# Altium PCB uTCA_MCH_PCB3.pcbdoc (part 25 of 25)
Units mil, origin at the board's own origin, x right, y up, seen from the top; angles counter-clockwise.
Board outline 7110.66 x 2894.12 mil, 12 copper layers (Top Layer, GND1, MidLayer1, PWR1, MidLayer2, GND2, PWR2, MidLayer3, GND3, MidLayer4, PWR3, Bottom Layer), stack 63.15 mil thick; 767 components, 905 nets, 4553 pads, 2832 vias.
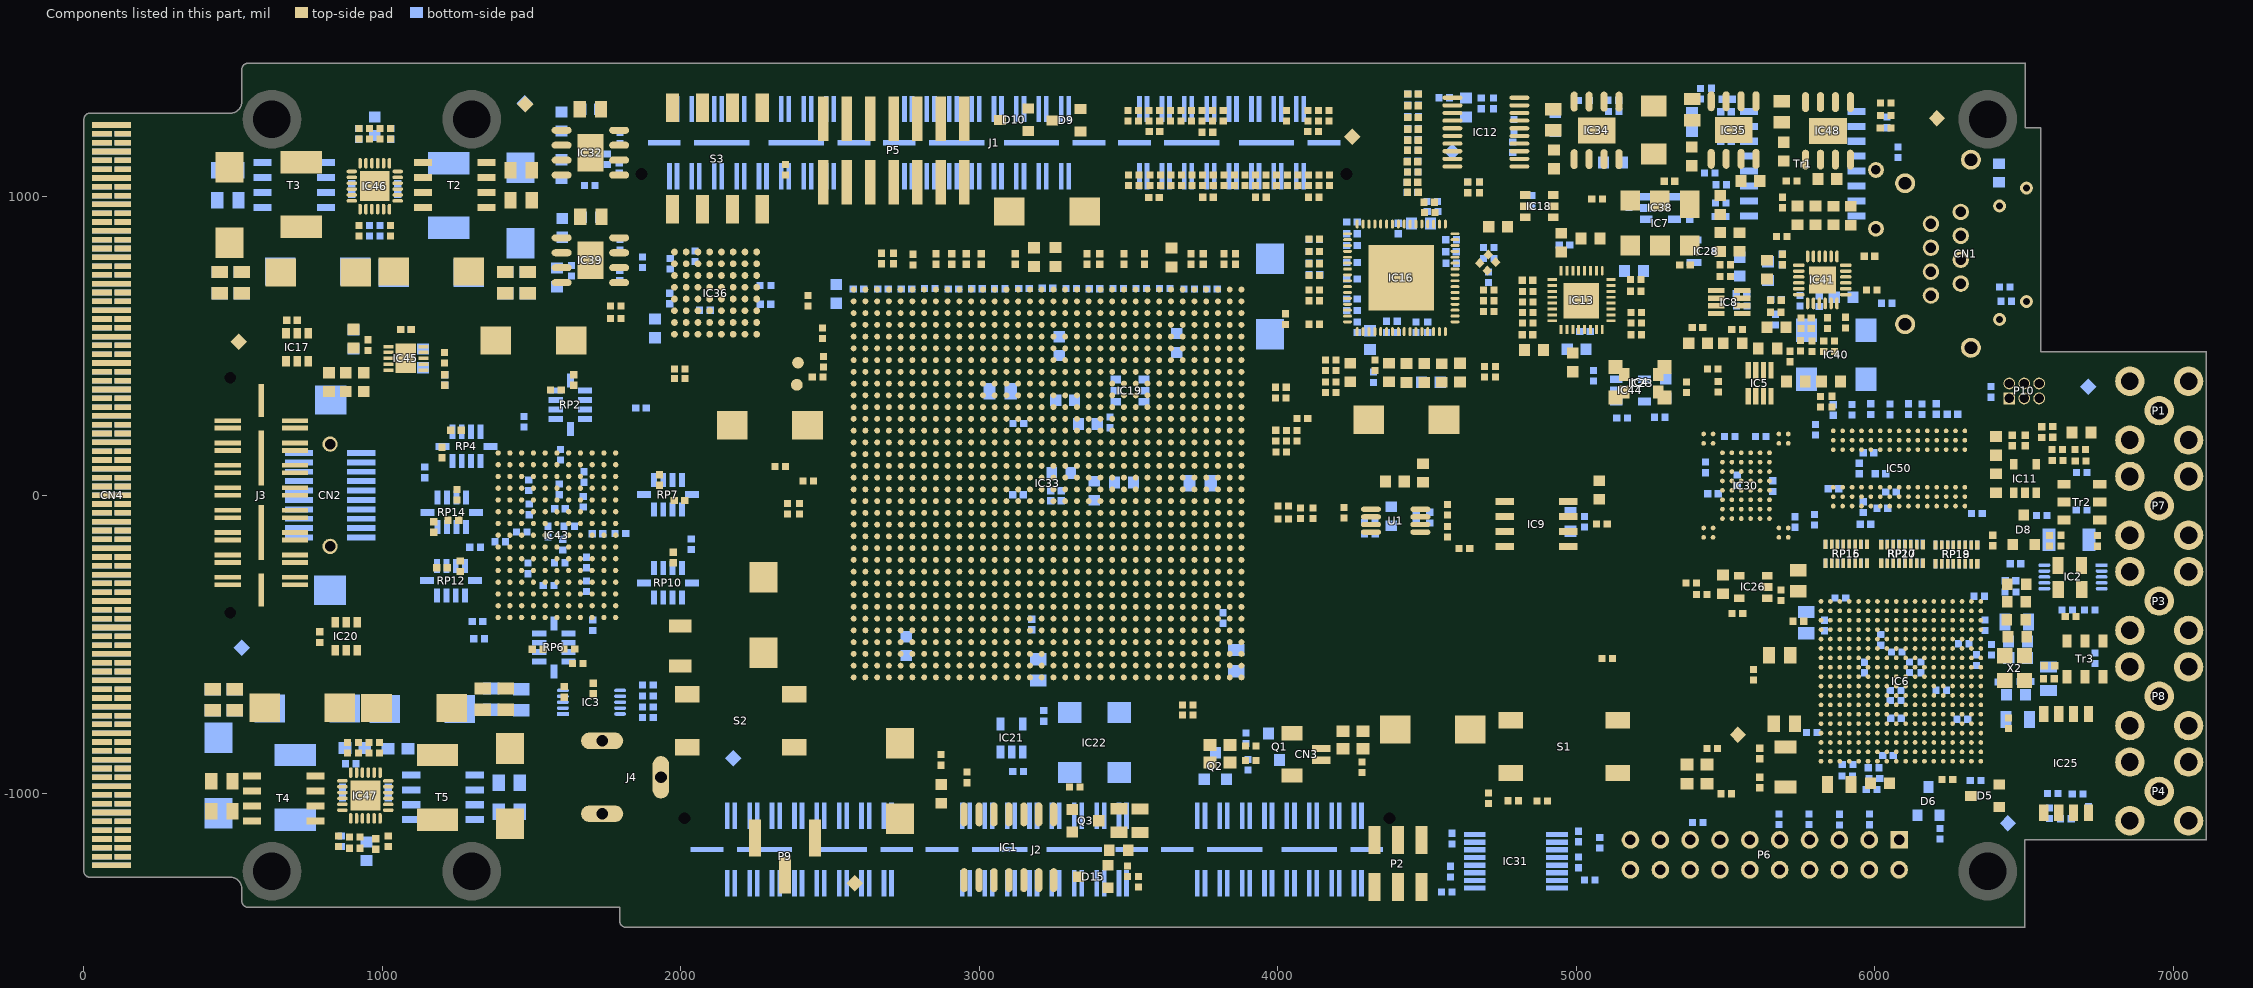
[diagram p35: the components of this part, seen from the top]

## Via types
v1: diameter 15.75, hole 5.91, Top Layer to Bottom Layer, tented both sides, 2480 vias
v2: diameter 23.62, hole 11.81, Top Layer to Bottom Layer, tented both sides, 325 vias
v3: diameter 20, hole 10, Top Layer to Bottom Layer, tented both sides, 16 vias
v4: diameter 15.75, hole 7.87, Top Layer to Bottom Layer, tented both sides, 9 vias
v5: diameter 23.62, hole 11.81, Top Layer to Bottom Layer, 1 vias
v6: diameter 15.75, hole 5.91, Top Layer to Bottom Layer, 1 vias

## Nets (pads, with @x,y where several pads share a name; then routed paths per layer and width w, separated by ;. In a path a pad name is that pad's centre, name@x,y a point inside that pad or via, vN(x,y) a via of type N, cw(c..) or ccw(c..) an arc to the next point about the centre after c; other vN are vias at no path point) (continued)
pads on no net: CN1.4 CN1.5 CN1.7 CN1.8 CN2. CN3.0 CN4.2 CN4.3 CN4.3mate CN4.5 CN4.6 CN4.8 CN4.9 CN4.11 CN4.12 CN4.17 CN4.18 CN4.20 CN4.21 CN4.23 CN4.24 CN4.29 CN4.30 CN4.32 CN4.33 CN4.35 CN4.36 CN4.41 CN4.42 CN4.44 CN4.45 CN4.47 CN4.48 CN4.53 CN4.54 CN4.56 CN4.57 CN4.59 CN4.60 CN4.65 CN4.66 CN4.68 CN4.69 CN4.71 CN4.72 CN4.77 CN4.78 CN4.80 CN4.81 CN4.83 CN4.84 CN4.87 CN4.88 CN4.90 CN4.91 CN4.93 CN4.94 CN4.99 CN4.100 CN4.102 CN4.103 CN4.105 CN4.106 CN4.111 CN4.112 CN4.114 CN4.115 CN4.117 CN4.118 CN4.123 CN4.124 CN4.126 CN4.127 CN4.129 CN4.130 CN4.135 CN4.136 CN4.138 CN4.139 CN4.141 CN4.142 CN4.147 CN4.148 CN4.150 CN4.151 CN4.153 CN4.154 CN4.159 CN4.160 CN4.162 CN4.163 CN4.165 CN4.166 CN4.168 CN4.169 D10.1 FTG1.1 FTG2.1 FTG3.1 FTG4.1 FTG5.1 FTG6.1 FTG7.1 FTG8.1 FTG9.1 FTG10.1 FTG11.1 FTG12.1 IC6.A5 IC6.A8 IC6.A11 IC6.A12 IC6.A13 IC6.A14 IC6.B6 IC6.B7 IC6.B9 IC6.B11 IC6.B12 IC6.C7 IC6.C11 IC6.D2 IC6.D8 IC6.D11 IC6.E1 IC6.E9 IC6.E11 IC6.F1 IC6.F2 IC6.F3 IC6.F10 IC6.F12 IC6.G1 IC6.G2 IC6.H1 IC6.H2 IC6.J1 IC6.J2 IC6.J6 IC6.J7 IC6.J8 IC6.J15 IC6.K1 IC6.K2 IC6.K3 IC6.K4 IC6.K5 IC6.K6 IC6.K7 IC6.K8 IC6.L2 IC6.L3 IC6.L4 IC6.L7 IC6.L10 IC6.L11 IC6.M3 IC6.M4 IC6.M8 IC6.M11 IC6.N2 IC6.N7 IC6.N8 IC6.N9 IC6.N11 IC6.N13 IC6.P5 IC6.P7 IC6.P8 IC6.P9 IC6.R3 IC6.R4 IC6.R8 IC6.R13 IC6.T1 IC6.T2 IC6.T3 IC6.T5 IC6.T7 IC6.T10 IC6.T13 IC6.U2 IC6.U3 IC6.U5 IC6.U7 IC6.U13 IC6.V6 IC6.V7 IC6.V9 IC7.5 IC12.15 IC13.8 IC13.23 IC13.24 IC13.28 IC13.29 IC13.31 IC13.32 IC16.2 IC16.13 IC16.14 IC16.15 IC16.18 IC16.19 IC16.20 IC16.36 IC17.5 IC20.5 IC22.1 IC28.3 IC30.A1 IC30.A2 IC30.A9 IC30.A10 IC30.B1 IC30.B2 IC30.B9 IC30.B10 IC30.D6 IC30.D7 IC30.D8 IC30.E3 IC30.E4 IC30.E5 IC30.E6 IC30.E7 IC30.E8 IC30.F3 IC30.F4 IC30.F5 IC30.F6 IC30.F8 IC30.G3 IC30.G5 IC30.G8 IC30.L1 IC30.L2 IC30.L9 IC30.L10 IC30.M1 IC30.M2 IC30.M9 IC30.M10 IC33.A15 IC33.A16 IC33.A18 IC33.A19 IC33.A20 IC33.A21 IC33.A23 IC33.A24 IC33.A25 IC33.A26 IC33.A28 IC33.A29 IC33.A30 IC33.A31 IC33.AA8 IC33.AA23 IC33.AB5 IC33.AB6 IC33.AB10 IC33.AB23 IC33.AC10 IC33.AC17 IC33.AD9 IC33.AD24 IC33.AE17 IC33.AE18 IC33.AE22 IC33.AE24 IC33.AE26 IC33.AF16 IC33.AF21 IC33.AF26 IC33.AG17 IC33.AG20 IC33.AG21 IC33.AG23 IC33.AG27 IC33.AG28 IC33.AH5 IC33.AH6 IC33.AH9 IC33.AH15 IC33.AH18 IC33.AH29 IC33.AH30 IC33.AJ9 IC33.AJ16 IC33.AJ21 IC33.AJ24 IC33.AJ26 IC33.AJ29 IC33.AJ30 IC33.AJ31 IC33.AJ32 IC33.AK34 IC33.AL21 IC33.AM16 IC33.AM21 IC33.AM22 IC33.AN22 IC33.AN23 IC33.AP15 IC33.AP22 IC33.B15 IC33.B16 IC33.B17 IC33.B18 IC33.B21 IC33.B22 IC33.B23 IC33.B25 IC33.B26 IC33.B27 IC33.B28 IC33.B30 IC33.B31 IC33.C13 IC33.C14 IC33.C15 IC33.C17 IC33.C18 IC33.C20 IC33.C22 IC33.C23 IC33.C24 IC33.C25 IC33.C27 IC33.C28 IC33.C29 IC33.C30 IC33.D14 IC33.D15 IC33.D16 IC33.D17 IC33.D19 IC33.D20 IC33.D21 IC33.D22 IC33.D24 IC33.D25 IC33.D26 IC33.D27 IC33.D29 IC33.D30 IC33.E12 IC33.E16 IC33.E17 IC33.E18 IC33.E19 IC33.E21 IC33.E22 IC33.E23 IC33.E24 IC33.E26 IC33.E27 IC33.E28 IC33.E29 IC33.E31 IC33.F5 IC33.F6 IC33.F8 IC33.F15 IC33.F16 IC33.F18 IC33.F19 IC33.F20 IC33.F25 IC33.F26 IC33.F28 IC33.F29 IC33.F31 IC33.F33 IC33.G8 IC33.G12 IC33.G15 IC33.G16 IC33.G17 IC33.G18 IC33.G21 IC33.G22 IC33.G25 IC33.G26 IC33.G27 IC33.G28 IC33.G33 IC33.H13 IC33.H15 IC33.H17 IC33.H18 IC33.H19 IC33.H20 IC33.H22 IC33.H27 IC33.H28 IC33.H29 IC33.J10 IC33.J11 IC33.J14 IC33.J15 IC33.J16 IC33.J17 IC33.J19 IC33.J20 IC33.J21 IC33.J22 IC33.J24 IC33.K9 IC33.K11 IC33.K12 IC33.K14 IC33.K16 IC33.K17 IC33.K18 IC33.K19 IC33.K21 IC33.K22 IC33.K26 IC33.K27 IC33.L9 IC33.L10 IC33.L11 IC33.L13 IC33.L14 IC33.L15 IC33.L16 IC33.L18 IC33.L19 IC33.L20 IC33.L21 IC33.L29 IC33.L30 IC33.M5 IC33.M6 IC33.M11 IC33.M12 IC33.M13 IC33.M15 IC33.M16 IC33.M17 IC33.M18 IC33.M26 IC33.M27 IC33.M33 IC33.N27 IC33.N28 IC33.N29 IC33.N32 IC33.P30 IC33.P31 IC33.P32 IC33.T5 IC33.T6 IC33.U28 IC33.U30 IC33.U31 IC33.U32 IC33.U33 IC33.V23 IC33.V27 IC33.V28 IC33.V29 IC33.V30 IC33.V32 IC33.V33 IC33.V34 IC33.W17 IC33.W18 IC33.W30 IC33.W34 IC33.Y31 IC33.Y32 IC36.B8 IC36.E8 IC36.F1 IC36.G2 IC36.H1 IC38.4 IC40.1 IC41.4 IC43.A2 IC43.A3 IC43.A10 IC43.R1 IC43.R10 IC43.R11 IC44.4 IC50.A2 IC50.A8 IC50.E2 IC50.E8 IC50.K1 IC50.L1 IC50.L9 IC50.M1 IC50.N9 IC50.P1 IC50.R3 IC50.R7 IC50.R8 IC50.R9 J1.86 J1.88 J1.109 J1.110 J2.5 J2.109 J2.110 J3.30 J3.32 J3.37 J3.38 P5.12 P5.14 P6.17 P6.19 RP4.7 RP15.6 RP15.7 RP15.8 RP15.9 RP15.10 RP15.11 RP17.6 RP17.7 RP17.8 RP17.9 RP17.10 RP17.11 S1.3 S1.4 S2.3 S2.4 Tr1.4 Tr1.5 Tr1.12 Tr1.13 Tr2.2 Tr2.5 Tr3.2 Tr3.5

## Polygon pours and split planes (outlines as drawn)
NetC44_2 on Top Layer "ThermalPad" (solid, remove dead copper, pour order 112): 5111.28,14.76 5111.28,-39.33 5099.02,-50.56 4939.68,-50.56 4921.29,-33.72 4921.29,3.54 4933.54,14.76
+3V3 on Top Layer "ThermalPad" (solid, pour order 116): 2924,-1126 2973.99,-1126 2974.34,-1125 2974.34,-952 2924,-952
+1V0_GTX on Top Layer "ThermalPad" (solid, remove dead copper, pour order 192): 3203.65,1031.22 3203.69,959.72 3277.7,877.52 3291.94,863.16 3444.28,863.16 3444.28,903.39 3408.69,939.3 3402.99,945.05 3402.99,1031.22
GND on Top Layer "ThermalPad" (solid, remove dead copper, pour order 193): 2616.57,850.48 2616.57,791.43 2617.52,790.43 3898.03,790.43 3898.03,817.48 3858.74,857.36 3273.07,858.03 3175.43,954.84 3175.79,1031.5 3126.29,1031.61 3033.88,1031.61 2933.96,926.82 2933.84,850.48
+1V8 on Top Layer "ThermalPadPW" (solid, remove dead copper, pour order 168): 1492.13,-688.93 1492.13,-755.37 1351.23,-755.37 1351.23,-948.82 1075.67,-948.82 1075.67,-883.98 1028.26,-883.98 1005.51,-884.02 1005.56,-847.21 994.29,-847.21 994.29,-812.04 1137.07,-812.04 1137.07,-667.44 1321.17,-667.44 1321.17,-688.93
NetC253_2 on Top Layer "ThermalPadd" (solid, pour order 153): 596.46,1168.43 596.46,1029.27 599.72,1026.46 794.81,1026.46 808.15,1026.5 808.23,1168.43
GND on Top Layer "ThermalPad" (solid, remove dead copper, pour order 183): 814.45,1377.95 814.45,1099.17 1163.86,1099.17 1163.86,1376.69 1162.11,1377.95
QDRII_VTT on Top Layer "ThermalPad" (solid, remove dead copper, pour order 131): 25 vertices, not listed, extent 969.06,-656.81 2149.37,425.67
GND on Top Layer "ThermalPad" (solid, pour order 127): 788.66,365.83 788.66,288.57 794.03,283.15 794.57,282.6 964.72,282.6 964.72,359.3 958.27,365.83
QDRII_VTT on Top Layer "ThermalPad" (solid, pour order 124): 1040.08,464.92 1040.08,379.72 793.96,379.72 792.79,380.83 785,388.16 785,464.92
GND on Top Layer "ThermalPadPW" (solid, pour order 187): 4546.02,-714.76 4546.02,-862.72 4562.6,-878.74 4563.65,-879.76 4648.77,-879.76 4682.46,-879.76 4712.44,-850.79 4711.89,-850.25 4711.89,-714.76
+1V0 on Top Layer "MidLayer1-No Net" (solid, pour order 186): 4327.78,-784.41 4327.24,-784.73 4327.24,-872.97 4453.08,-872.97 4453.61,-872.65 4460.39,-868.56 4460.39,-784.41
+5VCC_IN on Top Layer "ThermalPadPW" (solid, pour order 173): 586.61,954.72 586.61,779.53 417.32,779.53 417.32,954.72 586.61,954.72
+5VCC_IN on Top Layer "ThermalPadPW" (solid, pour order 169): 1824.8,-753.94 1350.39,-753.94 1350.39,-866.14 1350.39,-925.2 1824.8,-925.2
+1V5 on Top Layer "MidLayer1-No Net" (solid, pour order 179): 21 vertices, not listed, extent 1522.43,716.54 1637.8,1246.06
GND on Top Layer "ThermalPadPW" (solid, remove dead copper, pour order 182): 551.18,1181.1 553.15,1181.1 594.49,1139.91 594.49,959.43 415.35,959.43 411.42,955.51 411.42,714.21 415.35,714.21 421.26,708.33 421.26,612.2 293.31,612.2 273.62,631.82 273.62,1171.29 283.46,1181.1
NetC293_2 on Top Layer "ThermalPad_PW" (solid, pour order 143): 1114.65,-1124.84 1339.72,-1124.84 1339.72,-950.79 1114.65,-950.79
+1V0_GTX on Top Layer "ThermalPad" (solid, remove dead copper, pour order 191): 2616.02,787.48 2616.02,728.8 3895.43,728.8 3903.07,735.22 3900.55,737.34 3900.55,785.33
GND on Top Layer "ThermalPad" (solid, remove dead copper, pour order 197): 4797.17,754.94 4799.92,752.39 4799.92,461.65 4799.88,461.69 4784.69,461.69 4784.69,553.38 4780.28,557.47 4775.79,561.63 4775.79,576.59 4775.79,751.84 4779.17,754.98
+2V5 on Top Layer "ThermalPadPW" (solid, pour order 151): 899.61,-846.46 864.17,-846.46 864.17,-881.89 899.61,-881.89 899.65,-905.47 850.39,-905.51 541.34,-905.51 541.34,-751.97 391.73,-751.97 391.73,-685.04 541.34,-685.04 541.34,-663.39 716.54,-663.39 716.54,-805.12 899.61,-805.12
VDDANA on Top Layer "ThermalPad" (solid, pour order 198): 5909.27,-1001.19 6000,-1001.19 6000,-905 5909.27,-905
+3V3 on Top Layer "ThermalPad" (solid, pour order 201): 5664.45,1375 5792,1375 5801.81,1368.12 5806.72,1364.68 5806.72,1333.72 5806.72,1282.12 5796.91,1275.24 5644.82,1275.24 5635.01,1282.12 5635.01,1368.12 5644.82,1375 5674.26,1375
+3V3_PLL on Top Layer "ThermalPad" (solid, pour order 203): 5458.94,1380 5458.94,1270 5325,1270 5325,1380
+2V5_PLL on Top Layer "ThermalPad" (solid, pour order 204): 4855,1255 5025,1255 5025,1375 4855,1375
+3V3 on Top Layer "ThermalPad" (solid, pour order 205): 4875,1190 5020,1190 5020,1055 5015,1060 4875,1060
LDO_IN on Top Layer "ThermalPad" (solid, pour order 202): 5459.29,1220.43 5180.73,1221.4 5178.52,1217.58 5178.52,1091.42 5187.36,1076.13 5191.78,1068.48 5459.29,1068.48
GND on Top Layer "qw2564" (solid, pour order 175): 1523.62,933.14 1464.35,933.11 1464.52,1129.49 1370.13,1129.45 1370.12,1192.91 1523.62,1192.91
GND on Top Layer "ThermalPadPW" (solid, pour order 170): 17 vertices, not listed, extent 417.32,612.2 1523.62,929.84
+5VCC_IN on Top Layer "ThermalPadPW" (solid, pour order 174): 1461.6,1125.98 1461.6,935.04 1523.62,935.04 1523.62,827.31 1372.71,827.31 1372.71,935.04 1304.49,935.04 1304.61,1040.32 1391.19,1040.32 1391.32,1125.98
+5VCC_IN on Top Layer "ThermalPadPW" (solid, pour order 144): 391.73,-856.3 535.43,-856.3 535.43,-907.48 608.27,-907.48 608.27,-1000 527.56,-1000 527.56,-1096.46 449.77,-1096.46 449.77,-921.26 391.73,-921.26
NetC261_2 on Top Layer "ThermalPadPW" (solid, pour order 149): 532.19,-1129.92 710.1,-1129.92 711.86,-1128.09 711.86,-1060.27 742.95,-1060.19 742.98,-1032.15 806.43,-1032.15 806.5,-960.1 739.93,-960.07 739.93,-910.25 613.73,-910.25 613.73,-1005.89 532.19,-1006
+1V0 on Top Layer "ThermalPadPW" (solid, pour order 171): 417.32,711.77 417.32,784.23 584.24,784.23 584.24,954.72 896.73,954.72 896.78,873.1 949.08,873.1 949.04,825.14 829.09,825.34 829.23,701.87 597.83,696.85 597.83,711.77
+1V5 on Top Layer "ThermalPadPW" (solid, remove dead copper, pour order 172): 1559.73,712.6 1344.49,712.6 1344.49,698.69 1142.8,699.02 1142.8,826.53 992.37,826.46 992.19,870.52 1076.77,870.52 1076.77,935.04 1374.02,935.04 1374.02,817.11 1559.73,817.11
NetC207_2 on Top Layer "ThermalPadPW" (solid, remove dead copper, pour order 161): 1299.23,1146.69 1363.07,1146.66 1363.07,1042.66 1299.37,1042.34 1299.48,980.24 1251.83,980.32 1131.79,980.32 1129.53,983.93 1129.53,1043.07 1171.43,1043.18 1171.43,1146.69
+1V2_GTX on Top Layer "ThermalPadPW" (solid, pour order 146): 1717.36,1247.78 1717.53,1360.9 1839.19,1360.9 1839.19,1217.54 1750.72,1217.5
GND on Top Layer "ThermalPadPW" (solid, remove dead copper, pour order 152): 1706.27,1342.4 1568.77,1342.4 1568.77,1251.4 1639.63,1251.4 1639.63,1091.81 1566.85,1091.81 1566.85,1000.05 1829.25,1000.05 1829.25,1191.56 1741.79,1209.96
+1V0_GTX on Top Layer "ThermalPadPW" (solid, pour order 157): 1838.39,1005.87 1704.72,1005.87 1704.41,880.39 1761.34,838.57 1838.39,838.58
GND on Top Layer "ThermalPadPW" (solid, remove dead copper, pour order 159): 1566.61,1003.15 1704.07,1003.15 1735.77,854.46 1839.21,833.84 1839.21,669.29 1691.85,669.25 1691.93,732.52 1644.22,732.43 1644.22,889.33 1566.61,889.33
GND on Top Layer "ThermalPadPW" (solid, pour order 199): 2638.59,-990 2834.14,-990 2834.14,-1130 2865,-1130 2865,-1240 2638.59,-1240
GND on Top Layer "ThermalPadPW" (solid, remove dead copper, pour order 211): 22 vertices, not listed, extent 258.57,-1377.6 1990.24,-573.78
LDO_IN on Top Layer "ThermalPadPW" (solid, pour order 109): 5638.9,1216.51 5638.9,1138.02 5709.09,1138.02 5711.23,1135.63 5711.23,1082.14 5766.03,1082.14 5774.65,1091.74 5774.65,1159.27 5757.72,1178.12 5757.72,1179.84 5750.03,1188.41 5750.03,1216.51
NetC43_1 on Top Layer "ThermalPad" (solid, remove dead copper, pour order 107): 4388.42,78.14 4388.42,-57.01 4538.28,-57.01 4538.28,78.13
+3V3_PHY on MidLayer1 "ThermalPad" (solid, pour order 115): 6080,695 6080,600 6005,600 6000,605 6000,695
+5VCC_IN on MidLayer1 "MidLayer1-No Net" (solid, pour order 178): 1375.98,744.09 1648.34,744.09 1665.8,753.61 1669.29,755.52 1669.29,1149.61 1389.95,1149.61 1375.98,1141.99
+2V5_PLL on MidLayer1 "MidLayer1-No Net" (solid, pour order 135): 5023.62,1381.89 5023.62,1181.88 4980.83,1136.16 4508.31,631.38 4460.16,631.38 4189.13,631.38 4146.34,677.09 4133.86,690.43 4133.86,879.01 4214.1,879.01 4299.69,970.44 4684.83,1381.89 4713.36,1381.89
QDRII_VTT on MidLayer1 "MidLayer1-No Net" (solid, pour order 188): 1605.32,421.54 1604.72,420.94 1604.72,252.2 1804.72,252.2 1971.65,419.13 1950,440.79 1918.62,440.79 1909.61,440.79 1865,485.39 1854.76,495.63 1854.76,545.04 1807.76,545.04 1807.76,445.63 1743.9,445.63 1719.8,421.54
+3V3_PHY on MidLayer1 "ThermalPad" (solid, pour order 206): 5575,1350 5980,1350 5980,870 6080,770 6080,675 5571.16,675
+3V0_OSC on MidLayer1 "ThermalPad" (solid, pour order 207): 5299.53,967.61 5555.39,967.87 5555,655 5700,655 5700,445 5485,445 5300,630
+1V0_GTX on MidLayer4 "MidLayer1-No Net" (solid, pour order 194): 18 vertices, not listed, extent 1767.09,688.82 2701.72,1004.21
+1V2_GTX on MidLayer4 "MidLayer1-No Net" (solid, pour order 195): 19 vertices, not listed, extent 1753.15,573.11 3840,1360.08
LDO_IN on MidLayer4 "Top Layer-No Net" (solid, pour order 111): 5176.64,1224.86 5176.64,1086.94 5203.73,1060.54 5213.28,1060.54 5213.32,1060.58 5783.05,1060.58 5789.68,1067.04 5789.68,1147.74 5789.12,1148.29 5789.12,1222.52
GND_ETH on MidLayer2 "ThermalPad" (solid, remove dead copper, pour order 208): 52 vertices, not listed, extent 5418.7,425 6530,1375
+3V3_PLL on MidLayer2 "MidLayer1-No Net" (solid, pour order 129): 5392.68,1378.78 5392.68,1208.72 5210.78,1208.72 4712.63,732.16 4552.73,579.2 4552.73,322.83 4175.2,322.83 4146.34,350.44 4146.34,1010.98 4253.75,1010.98 4352.96,1105.9 4638.21,1378.78
GND on Bottom Layer "ThermalPad" (solid, remove dead copper, pour order 114): 4949.63,-93.25 4949.63,-151.09 4973.44,-174.9 4984.66,-186.12 5042.89,-186.12 5051.67,-177.34 5051.67,-93.25
NetC44_2 on Bottom Layer "ThermalPad" (solid, remove dead copper, pour order 113): 4948.68,-88.83 5043.88,-88.83 5056.32,-77.09 5056.32,-16.37 5043.88,-4.63 4966.89,-4.63 4948.65,-21.84
NetC43_1 on Bottom Layer "ThermalPad" (solid, remove dead copper, pour order 108): 4434.2,-8.58 4434.2,-65.73 4442.1,-71.66 4529.4,-71.66 4534.04,-68.18 4534.04,-14.16 4526.61,-8.58
GND on Bottom Layer "ThermalPadPW" (solid, remove dead copper, pour order 212): 18 vertices, not listed, extent 736.54,803.11 1188.62,1375.98
GND on Bottom Layer "ThermalPadPW" (solid, pour order 162): 17 vertices, not listed, extent 417.32,612.2 1523.62,894.25
NetC207_2 on Bottom Layer "MidLayer1-No Net" (solid, remove dead copper, pour order 160): 1339.65,1153.82 1137.61,1153.82 1137.59,1148.9 1137.58,1055.47 1055.79,1055.47 1055.79,1031.06 1121.83,1031.1 1121.81,970.24 1339.65,970.24
GND on Bottom Layer "ThermalPadCN" (solid, pour order 126): 2017.01,-1130.57 2017.01,-1242.85 2017.72,-1243.46 2019.41,-1241.99 4383.31,-1241.99 4383.31,-1131.12 4380.71,-1128.86
GND on Bottom Layer "ThermalPadCN" (solid, pour order 123): 1868.98,1235.88 1868.98,1142.71 4235.82,1142.71 4236.3,1142.17 4237.64,1143.65 4237.64,1237.64
GND on Bottom Layer "ThermalPadPW" (solid, pour order 200): 19 vertices, not listed, extent 261.61,-1379.53 1978.5,-576.38
+5VCC_IN on Bottom Layer "MidLayer1-No Net" (solid, pour order 119): 1985.67,-881.3 1985.67,-1016.31 2053.58,-1016.31 2076.54,-1033.29 2079.8,-1035.71 2079.8,-1076.89 2420.35,-1076.89 2432.64,-1067.8 2434.29,-1066.58 2434.29,-960.02 2158.39,-960.02 2051.97,-881.3
+5VCC_IN on Bottom Layer "MidLayer1-No Net" (solid, pour order 117): 2279.96,-1297.52 2279.96,-1375.59 2431.97,-1375.59 2433.11,-1374.88 2433.11,-1297.52
+3V3_PLL on Bottom Layer "MidLayer1-No Net" (solid, pour order 154): 4446.14,542.95 4446.14,510.68 4450.47,507.87 4517.56,507.87 4519.72,509.28 4519.72,542.95
+3V3_PLL on Bottom Layer "ThermalPadl" (solid, pour order 148): 4187.87,935.04 4214.15,935.04 4214.88,933.07 4214.88,820.87 4198.09,820.87 4197.36,822.83 4196.63,824.8 4196.63,858.27 4196.63,862.2 4187.87,885.83
NetC160_1 on Bottom Layer "ThermalPad" (solid, remove dead copper, pour order 134): 4285.43,529.53 4379.92,529.53 4381.89,531.5 4381.89,602.36 4285.43,602.36
+1V0_GTX on Bottom Layer "qw2564" (solid, pour order 145): 1700.79,1001.97 1700.79,838.58 1830.71,838.58 1830.71,1001.97 1822.83,1001.97
GND on Bottom Layer "ThermalPadPW" (solid, pour order 142): 1561.02,1003.94 1561.02,895.67 1586.61,895.67 1637.8,895.67 1637.8,854.33 1637.8,734.25 1624.02,734.25 1562.99,734.25 1562.99,669.29 1830.71,669.29 1830.71,838.58 1698.82,838.58 1698.82,1003.94
GND on Bottom Layer "ThermalPadPW" (solid, remove dead copper, pour order 140): 1696.85,1326.77 1562.99,1326.77 1562.99,1251.97 1635.83,1251.97 1635.83,1094.49 1561.02,1094.49 1561.02,1003.94 1830.71,1003.94 1830.71,1196.85 1696.85,1196.85 1696.85,1248.03
+1V2_GTX on Bottom Layer "qw2564" (solid, pour order 138): 1830.71,1196.85 1830.71,1326.77 1698.82,1326.77 1698.82,1196.85
+1V0 on Bottom Layer "qw2564" (solid, pour order 167): 417.32,718.5 417.32,779.53 572.82,779.53 572.82,887.8 572.82,889.76 614.41,889.76 813.31,889.76 813.31,704.72 813.31,702.76 587.29,702.76 585.48,702.76 585.48,716.54
GND on Bottom Layer "qw2564" (solid, pour order 166): 1490.53,1041.34 1516.38,1041.34 1516.38,1192.91 1366.01,1192.91 1366.01,1041.34
+5VCC_IN on Bottom Layer "qw2564" (solid, pour order 165): 1514.8,779.53 1374.02,779.53 1374.02,935.04 1514.8,935.04 1514.8,779.53
+1V5 on Bottom Layer "qw2564" (solid, pour order 164): 1523.62,713.06 1523.62,782.26 1401.01,782.26 1401.01,943.03 1109.01,943.03 1102.56,943.03 1102.56,804.64 1170.32,804.64 1170.32,698.82 1376.81,698.82 1378.43,698.82 1378.43,713.06
+5VCC_IN on Bottom Layer "qw2564" (solid, pour order 155): 395.35,-759.96 533.19,-759.96 533.19,-905.51 395.35,-905.51 395.35,-759.96
+2V5 on Bottom Layer "ThermalPadPW" (solid, pour order 150): 850.39,-906.42 850.39,-809.59 712.6,-809.59 712.6,-667.32 547.24,-667.32 547.24,-691.03 391.73,-691.03 391.73,-752.29 541.34,-752.29 541.34,-906.42
+3V3 on Bottom Layer "MidLayer1-No Net" (solid, pour order 176): 1647.64,-1151.57 1647.64,-1252.44 1838,-1252.44 1840,-1250.38 1840,-1151.57
GND on Bottom Layer "MidLayer1-No Net" (solid, pour order 177): 1647.64,-1251.97 1647.64,-1287.4 1814.96,-1287.4 1816.93,-1285.43 1816.93,-1251.97
+1V5 on Bottom Layer "MidLayer1-No Net" (solid, pour order 180): 1519.68,716.54 1559.06,716.54 1561.02,718.5 1561.02,807.09 1620.08,807.09 1633.86,820.87 1633.86,893.7 1561.02,893.7 1559.06,895.67 1559.06,1167.32 1622.05,1167.32 1631.89,1177.17 1631.89,1246.06 1525.59,1246.06 1519.68,1240.16
GND on Bottom Layer "ThermalPadPW" (solid, pour order 181): 482.28,1127.95 482.28,945.58 413.39,945.58 407.48,939.69 407.48,716.14 413.39,716.14 421.26,708.29 421.26,612.2 295.28,612.2 279.53,627.89 275.59,631.82 275.59,1112.26 291.34,1127.95
NetC261_2 on Bottom Layer "ThermalPadPW" (solid, pour order 147): 541.81,-1124.65 788.48,-1124.65 811.42,-1102.08 819.07,-1094.56 891.73,-1094.56 891.73,-1000.55 887.91,-996.79 832.46,-996.79 828.63,-996.79 820.98,-989.27 820.98,-914.06 541.81,-914.06
NetC253_2 on Bottom Layer "ThermalPadPW" (solid, pour order 156): 17 vertices, not listed, extent 570.79,998.03 842.64,1153.54
+5VCC_IN on Bottom Layer "ThermalPadPW" (solid, pour order 158): 19 vertices, not listed, extent 409.45,783.46 714.53,1181.1
NetC293_2 on Bottom Layer "ThermalPadPW" (solid, pour order 163): 1354.33,-1116.14 1354.33,-1013.78 1269.69,-1013.78 1269.69,-901.57 1263.78,-895.67 1147.64,-895.67 1147.64,-938.98 1135.83,-950.79 1129.92,-956.69 1062.99,-956.69 1062.99,-1019.69 1061.02,-1021.65 1155.51,-1021.65 1155.51,-1116.14
+5VCC_IN on Bottom Layer "ThermalPadPW" (solid, pour order 184): 1446.61,-1112.2 1446.61,-937.05 1824.8,-937.05 1824.8,-761.89 1353.99,-761.89 1353.99,-900.48 1274.88,-900.48 1274.88,-1017.89 1274.88,-1021.74 1359.78,-1021.74 1361.71,-1021.74 1361.71,-1112.2
+1V8 on Bottom Layer "ThermalPadPW" (solid, pour order 185): 1492.13,-687.01 1316.93,-687.01 1316.93,-665.35 1316.93,-659.45 1116.14,-659.45 1116.14,-811.02 1265.75,-811.02 1265.75,-866.14 1344.49,-866.14 1350.39,-866.14 1350.39,-757.87 1350.39,-755.91 1492.13,-755.91
+2AV5 on Bottom Layer "MidLayer1-No Net" (solid, pour order 120): 3257.8,30.35 3257.8,-33.58 3406.18,-33.58 3406.57,-33.98 3408.03,-32.52 3408.03,7.09 3361.77,7.09 3360.71,8.15 3358.03,10.83 3325.43,10.83 3316.34,10.83 3296.81,30.35
+2V5 on Bottom Layer "MidLayer1-No Net" (solid, pour order 137): 2761.85,-451.89 2761.06,-453.15 2761.06,-496.26 2803.81,-496.26 2804.76,-494.72 2804.76,-451.89
GND on Bottom Layer "MidLayer1-No Net" (solid, pour order 139): 3213.19,-3.9 3213.19,-52.6 3215.31,-54.72 3215.83,-55.24 3283.94,-55.24 3283.94,-33.94 3283.23,-33.23 3280.28,-30.28 3259.49,-30.28 3258.43,-30.28 3256.69,-28.54 3254.96,-26.81 3254.96,-3.9
GND on Bottom Layer "MidLayer1-No Net" (solid, remove dead copper, pour order 189): 3905.61,844.44 3905.79,692.51 2560.3,692.48 2560.3,839.91 2558.31,848.98
+1V2_GTX on Bottom Layer "MidLayer1-No Net" (solid, remove dead copper, pour order 190): 3736.98,532.77 3736.98,473.21 3907.6,472.56 3907.6,696.14 2561.15,696.14 2559.21,694.11 2559.21,541.97 3236.83,541.97 3245.58,532.81
AGND on Bottom Layer "MidLayer1-No Net" (solid, remove dead copper, pour order 121): 20 vertices, not listed, extent 3170.04,1.1 3329.17,96.34
+2V5_PLL on Bottom Layer "ThermalPad" (solid, remove dead copper, pour order 122): 4856.61,1360.12 4856.61,1242.3 4869.56,1228.11 5008.56,1228.11 5018.11,1238.57 5018.11,1360.12
GND on Bottom Layer "ThermalPad" (solid, remove dead copper, pour order 125): 4291.77,927.95 4291.77,610.16 4294.8,607.13 4540.94,607.13 4540.94,861.42 4376.38,861.42 4376.38,965.79 4339.25,1002.91 4337.52,1004.65 4261.5,1004.65 4261.5,952.32 4266.46,947.36 4270.55,943.27 4291.89,943.27
GND on Bottom Layer "MidLayer1-No Net" (solid, pour order 136): 2740.51,-544.76 2740.51,-592.59 2744.46,-595.46 2744.74,-595.67 2773.9,-595.67 2773.9,-545.36 2773.11,-544.79
GND on Bottom Layer "ThermalPadPW" (solid, remove dead copper, pour order 128): 3778.58,884.37 3778.58,701.73 3789.16,696.22 3790.53,696.93 4048.5,696.93 4048.5,874.72 4029.98,884.37
+1V2_GTX on Bottom Layer "ThermalPadPW" (solid, remove dead copper, pour order 130): 3897.12,462.95 3890.98,469.24 3890.98,687.24 4046.05,687.24 4048.07,685.17 4048.07,484.52 4048.07,482.45 4029.04,462.95
+1V2_GTX on Bottom Layer "ThermalPad" (solid, remove dead copper, pour order 132): 2480.2,672.8 2481.57,671.42 2481.57,596.97 2502.24,576.3 2503.62,574.92 2576.69,574.92 2576.69,672.01 2575.91,672.8
GND on Bottom Layer "ThermalPad" (solid, remove dead copper, pour order 133): 4937.76,740.24 4937.76,569.37 5091.26,569.37 5091.22,569.41 5091.22,740.24
+3V3_PLL on Bottom Layer "jjjdkek" (solid, remove dead copper, pour order 196): 4213.35,666.83 4213.35,610.26 4189.57,610.26 4189.57,666.83
+3V3_PLL on Bottom Layer "ThermalPad" (solid, pour order 209): 5325,1375 5423.83,1375 5423.83,1275 5325,1275
GND_ETH on Bottom Layer "ThermalPad" (solid, pour order 210): 5615,735 5740,735 5780,775 5875,775 5900,750 5900,430 5807.5,337.5 5685,340 5685,465 5600,545 5600,600 5615,615
NetC140_1 on Bottom Layer "Bottom Layer-NetC140_1" (solid, pour order 141): 4922.34,742.68 4922.34,559.52 4944.65,538.38 4961.28,538.28 4989.37,538.67 4989.37,462.87 4898.18,462.65 4834.98,522.53 4834.98,742.68
GND on Bottom Layer "ThermalPad" (solid, remove dead copper, pour order 110): 4436.18,-77.24 4436.18,-139.28 4540.79,-139.28 4543.07,-137.18 4543.07,-77.24
GND on GND1 (split plane): 537.26,1427.17 537.24,1427.27 537.24,1427.28
GND_ETH on GND1 (split plane): 23 vertices, not listed, extent 5401.39,428.72 6607.34,1372.85
GND on GND1 (split plane): 207 vertices, not listed, extent 7.7,-1439.14 7102.51,1439.12
GND on PWR1 (split plane): 20 vertices, not listed, extent 1914.25,579.29 3903.07,1439.12
+1V0 on PWR1 (split plane): 537.26,1427.17 537.24,1427.27 537.24,1427.28
+1V8 on PWR1 (split plane): 96 vertices, not listed, extent 537.87,-1439.12 7102.51,1439.12
+1V8 on PWR1 (split plane): 33 vertices, not listed, extent 1799.97,-1439.14 1899.11,-1373.97
+1V8 on PWR1 (split plane): 46 vertices, not listed, extent 477.82,1170.71 717.36,1439.12
+1V8 on PWR1 (split plane): 18 vertices, not listed, extent 7.71,-1271.81 24.3,-1255.89
+5VCC_IN on PWR1 (split plane): 78 vertices, not listed, extent 14.17,-1435.91 2467.48,1439.12
+1V8 on PWR1 (split plane): 27 vertices, not listed, extent 537.09,-1372.2 593.44,-1315.84
GND on GND2 (split plane): 537.26,1427.17 537.24,1427.27 537.24,1427.28
GND on GND2 (split plane): 184 vertices, not listed, extent 7.7,-1439.14 7102.51,1439.12
GND on PWR2 (split plane): 3131.85,1024.72 3131.85,659.92 2559.25,659.92 2559.25,716.89 2558.94,718.43 2558.07,719.73 2448.9,828.9 2447.6,829.77 2446.06,830.08 2053.47,830.08 2009.53,874.02 2009.53,1075.5 2055.17,1121.14 3035.42,1121.14
+1V0 on PWR2 (split plane): 96 vertices, not listed, extent 635.9,-992.99 6577.99,921.46
+3V3 on PWR2 (split plane): 537.26,1427.17 537.24,1427.27 537.24,1427.28
+3V3 on PWR2 (split plane): 182 vertices, not listed, extent 7.7,-1439.14 7102.51,1439.12
GND on GND3 (split plane): 537.26,1427.17 537.24,1427.27 537.24,1427.28
GND on GND3 (split plane): 184 vertices, not listed, extent 7.7,-1439.14 7102.51,1439.12
+5VCC_IN on PWR3 (split plane): 59 vertices, not listed, extent 1377.05,743.52 5936.92,1439.12
GND on PWR3 (split plane): 21 vertices, not listed, extent 2168.42,768.15 2849.84,1155.63
+1V0_GTX on PWR3 (split plane): 25 vertices, not listed, extent 2543.46,464.76 3913.51,983.78
+2V5 on PWR3 (split plane): 537.26,1427.17 537.24,1427.27 537.24,1427.28
+2V5 on PWR3 (split plane): 296 vertices, not listed, extent 7.7,-1439.14 7102.51,1439.12

## Keep-outs
Keep-Out Layer:
  rectangle: 529.53,1390.33 6501.97,1446.85
  rectangle: 1797.24,-1448.03 6501.97,-1392

## Other copper
Top Layer:
  rectangle net +3V3_PLL: 4197.8,832.18 4223.22,910.41
  rectangle net +1V8: 3880.99,1019.92 3887.46,1027.63
  rectangle net GND: 1932.72,78.9 1936.24,84.35
  rectangle net GND: 1691.75,996.05 1698.27,1008.09
  rectangle net GND: 1696.56,1074.1 1739.63,1122.08
  rectangle net GND: 1691.91,682.96 1739.69,849.96
  pour cut-out: 1745.36,799.81 1750.38,804.83 1753.39,804.83 1753.39,771.18 1750.13,767.92 1745.1,772.95 1745.1,774.95
  pour cut-out: 1724.11,864.48 1724.12,864.49 1756.96,864.49 1756.96,843.49 1756.49,843.96 1742.81,843.96 1724.11,862.66
  pour cut-out: 1325.39,169.57 1325.39,-436.77 1843.62,-436.77 1843.62,169.13
  pour cut-out: 1019.92,-1062.68 1019.92,-1152.52 1018.98,-1153.46 864.02,-1153.46 864.02,-1065.79 867.13,-1062.68
  text "TP" at 3244.31,-2260.63 h100
MidLayer1:
  rectangle net +2V5_PLL: 4662.37,800.68 4668.11,805.3
  pour cut-out: 5980,1258.76 5975.79,1254.55 5975.79,1212.8 5980,1208.59
  pour cut-out: 5980,1046.19 5974.5,1040.69 5974.5,927.69 5980.56,921.63 5980.56,921.4
  pour cut-out: 1806.47,504.86 1812.99,498.34 1812.99,489.63 1807.48,484.12
  text "L1" at 3577.91,-2262.24 h100
MidLayer4:
  pour cut-out: 3498.03,1227.56 3555.52,1227.56 3565.15,1217.93 3565.15,1212.31 3502.26,1212.31 3498.03,1216.54
  pour cut-out: 2013.87,1219.05 2029.66,1234.84 2064.6,1234.84 2083.36,1216.08
  pour cut-out: 5473.39,1059.08 5473.39,1074.92 5490.38,1091.91 5517.61,1092.04 5519.33,1090.36 5532.07,1077.62 5532.07,1058.7
  text "L4" at 4628.39,-2265.94 h100
MidLayer2:
  pour cut-out: 5754.5,469.42 5802.67,469.42 5829.79,442.3 5829.79,415.6 5821.69,407.5 5820.47,408.72 5787.69,408.72 5753,443.41 5753,459
  pour cut-out: 5998.85,769.58 5973.81,794.62 5950.19,794.62 5927.51,771.94 5927.51,695.41 5942.63,680.29 5942.63,426.1 5946.4,422.33 5989.41,422.33 6009.72,442.64 6009.72,757.77 5999.8,767.69
  pour cut-out: 5695.41,1064.36 5695.41,1050.82 5686.59,1042 5673.05,1042 5665.25,1049.8 5665.25,1063.19 5669.72,1067.66 5691.71,1067.66 5695,1064.37
  text "L2" at 3930.47,-2264.13 h100
MidLayer3:
  text "L3" at 4305.67,-2262.68 h100
Bottom Layer:
  rectangle net NetC253_2: 842.64,1028.86 866.47,1048.62
  rectangle net GND: 5725.81,619.15 5733.19,628.17
  rectangle net GND: 404.69,709.84 417.32,715.69
  text "JGR/RR/TW 2011" at 6644.71,431.04 h19.68
  text "BT" at 4991.61,-2256.07 h100
GND1 (plane layer: these items are gaps in the copper):
  lines w10: 5470.76,1377.95 5567.21,1377.95 ; 5471.49,1377.78 5396.29,1302.58 5396.29,534.81 5505.91,425.2 ; 5507.48,423.62 6612.05,423.62 6612.44,423.58 6612.44,482.13 6555.12,482.13 6555.12,1157.48 6485.43,1157.48 ; 5549.21,1377.95 6279.53,1377.95 6281.5,1375.98 6281.5,1212.6 6336.61,1157.48 6515.75,1157.48
PWR1 (plane layer: these items are gaps in the copper):
  lines w7.87: 10.16,-1252.64 10.16,1280.16 13.23,1283.23 460.71,1283.23 577.24,1166.69 714.25,1166.69 721.38,1173.82 721.38,1450.04 721.57,1450.24 966.34,1450.24 1256.92,1159.65 1684.84,1159.65 1702.4,1142.09 1702.4,690.59 1679.33,667.52 637.48,667.52 533.86,563.9 533.86,-564.77 830.2,-861.1 1337.32,-861.1 1450.04,-748.39 1899.76,-748.39 1945.51,-794.13 2052.24,-794.13 2179.29,-921.18 2418.15,-921.18 2471.5,-974.53 2471.5,-1401.46 2433.03,-1439.92 1905.59,-1439.92 1835.63,-1369.96 596.89,-1369.96 494.96,-1268.03 25.55,-1268.03 10.16,-1252.64 ; 1910.24,851.34 1922.09,839.49 2354.76,839.49 2501.1,693.15 2501.1,609.41 2535.24,575.28 3907.09,575.28 3907.09,829.45 3860.55,875.98 3860.55,1143.89 3860.55,1442.01 3853.74,1448.82 2058.62,1448.82 2058.07,1449.37 2010.43,1449.37 1910.24,1349.17 1910.24,851.34
PWR2 (plane layer: these items are gaps in the copper):
  lines w7.87: 1139.61,649.25 1762.4,649.25 1798.58,613.07 1798.58,291.46 1828.27,261.77 2240.24,261.77 2251.89,273.43 2395.79,417.32 3402.68,417.32 3488,332 4453,332 4947.4,-162.4 5406.4,-162.4 5543.21,-299.21 6254.92,-299.21 6275.59,-278.54 6275.59,-267.59 ; 1139.92,649.21 863.66,925.47 676.5,925.47 631.89,880.87 631.89,669.29 713.78,587.4 713.78,103.19 881.18,-64.21 881.18,-369.88 980.35,-469.06 2083.06,-469.06 2563,-949 2776,-949 3255.94,-469.06 3697.05,-469.06 3844.57,-616.57 4022.09,-616.57 4288.39,-882.87 4402.51,-997 6289,-997 6559,-727 6559,-656.13 6483.5,-580.63 ; 1800,604.02 1800,612.2 ; 5214.76,-162.76 5404.84,-162.76 ; 6276,-268 6582,-268 6582,-457 6517,-457 6438,-378 6357,-378 6322,-413 6322,-522 6380.43,-580.43 6484.06,-580.43 ; 2005.51,872.36 2005.51,1077.17 2053.5,1125.16 3037.09,1125.16 3135.87,1026.38 3135.87,655.91 2555.79,655.91 2555.24,656.46 2555.24,716.89 2446.06,826.06 2051.81,826.06 2005.51,872.36
PWR3 (plane layer: these items are gaps in the copper):
  lines w7.87: 2459.37,1138.82 2327.83,1138.82 2321.5,1145.16 2321.5,1145.51 2307.36,1159.65 2260.94,1159.65 2243.23,1141.93 2242.68,1141.93 2164.41,1063.66 2164.41,832.6 2232.52,764.49 2574.57,764.49 ; 2852.8,1139.25 2853.86,1138.19 2853.86,764.49 ; 4990.5,1138.78 2418.5,1138.78 2350.63,1206.65 1759.8,1206.65 1648.62,1095.47 1648.62,750.97 1637.16,739.51 1422.89,739.51 1373.03,789.37 1373.03,1181.1 1432.09,1240.16 1432.09,1273.62 1501.69,1343.23 5145.39,1343.23 ; 2539.45,495.47 2539.45,731.89 2571.69,764.13 3079.09,764.13 3149.13,834.17 3149.13,948.74 3188.19,987.8 3385.55,987.8 3453.11,920.24 3453.11,839.25 3489.06,803.31 3888.19,803.31 3917.52,773.98 3917.52,522.87 3855.39,460.75 2574.17,460.75 2539.45,495.47
  lines w8: 4990.5,1138.78 5065.57,1063.71 5462.52,1063.71 5526.23,1000 5587,1000 5627,960 5895,960 5941,1006 5941,1443 ; 5146,1343 5165,1343 5215,1393 5215,1452

## Silkscreen, mask and mechanical layers (free items; w line width, h text height)
Top Overlay:
  drawing of 4347 lines, arcs and shapes, not listed
  text "M1" at 2037.51,1277.27 h31.5 r90
  text "M2" at 1934.8,1269.76 h31.5 r90
  text "M0" at 2137.78,1265.19 h31.5 r90
  text "HS" at 2239.16,1262.63 h31.5 r90
  text "FPGA JTAG" at 2442.24,922.24 h78.74
  text "Open Hardware Repository" at 273.93,-551.13 h59.06 r90
  text "+5V" at 1784.6,-679.35 h78.74
  text "CPU reset" at 4972.79,-695.58 h78.74
  text "IN" at 1809.5,-732.17 h78.74
  text "White Rabbit Switch" at 2702.52,-736.21 h118.11
  text "http://www.ohwr.org/projects/white-rabbit" at 353.18,-748.23 h51.18 r90
  text "INIT_B" at 3594.94,-846.57 h51.18
  text "v3.4" at 3361.34,-891.36 h157.48
  text "SCB" at 3019.6,-894.97 h196.85
  text "DONE" at 3606.52,-906.05 h51.18
  text "CPU2" at 5199.06,-914.39 h59.06
  text "FPGA Program" at 2103.47,-933.12 h78.74
  text "CPU1" at 5201.33,-979.23 h59.06
  text "-" at 2082.5,-995.26 h50 r90
  text "GND  +5V   GND" at 2212.19,-1030.24 h43.31
  text "ARM" at 4104.66,-1228.14 h78.74
  text "+" at 2083.5,-1280.26 h50 r90
  text "FPGA" at 4089.88,-1279.86 h78.74
  text "UART" at 4084.34,-1335.28 h78.74
  text "CPU JTAG" at 4646.51,-1367.5 h78.74
Bottom Overlay:
  drawing of 3854 lines, arcs and shapes, not listed
  text "Licensed under CERN OHL v 1.2" at 3692.69,914.61 h60
  text "http://ohwr.org/CERNOHL" at 3559.56,807.22 h60
  text "Drawn by: J. Gabriel R. E. Fixed by GK" at 422.57,626.43 h78.74 r90
  text "PCB Version: 3.4" at 331.33,330.7 h78.74 r90
  text "2014/09/24" at 527.53,238.31 h78.74 r90
Top Solder:
  rectangle: 4444.66,-120.55 4512.11,-45.65
  rectangle: 4277.77,-123.97 4347.39,-47.51
Mechanical 1:
  lines w0.39: 0,1236.22 0,1257.97 cw(c23.52,1257.97) 6.89,1274.61 cw(c18.77,1262.73) 18.77,1279.53 23.62,1279.53 484.25,1279.53 ; 0,1256.89 0,-1248.03 0,-1259.36 ccw(c20.16,-1259.36) 5.91,-1273.62 ccw(c20.16,-1259.36) 20.16,-1279.53 400.59,-1279.53 ; 19.68,1279.53 483.27,1279.53 ; 365,-1279.53 490.16,-1279.53 cw(c490.16,-1318.9) 529.53,-1318.9 529.53,-1360.24 ccw(c549.21,-1360.24) 549.21,-1379.92 1795.28,-1379.92 1795.28,-1405.51 1795.28,-1427.17 ccw(c1814.96,-1427.17) 1814.96,-1446.85 6220.47,-1446.85 6501.97,-1446.85 6501.97,-1153.54 6649.61,-1153.54 ; 375.98,1279.53 489.53,1279.53 ; 488.19,1279.53 ccw(c489.17,1319.88) 529.53,1318.9 529.53,1427.17 cw(c549.21,1427.17) 549.21,1446.85 6501.97,1446.85 6503.94,1446.85 6503.94,1230.32 6555.12,1230.31 6555.12,496.06 6555.12,481.3 7110.24,481.3 7110.24,-1153.54 6612.2,-1153.54
Mechanical 15:
  circle w0.39: c265.75,1240.16 r8.35
  circle w0.39: c265.75,-1240.16 r8.12
  lines w0.39: 250,-1240.16 283.46,-1240.16 ; 250,1240.16 283.46,1240.16 ; 265.75,-1255.91 265.75,-1224.41 ; 265.75,1224.41 265.75,1255.91
Drill Drawing:
  lines w3.94: 7704.8,1450.71 7704.8,-1443.07 7768.19,-1443.07 ; 7704.84,1450.98 7768.19,1450.98 7768.19,-1442.68
  lines w8: 3484.76,-2348.59 3484.76,-2073 ; 3484.92,-2350.48 3484.92,-2074.89 ; 3485.28,-2349.5 3485.28,-2073.91 ; 3485.87,-2349.69 3485.87,-2074.1 ; 3839.09,-2348.59 3839.09,-2073 ; 3839.25,-2350.48 3839.25,-2074.89 ; 3839.61,-2349.5 3839.61,-2073.91 ; 3840.2,-2349.69 3840.2,-2074.1 ; 4193.43,-2348.59 4193.43,-2073 ; 4193.58,-2350.48 4193.58,-2074.89 ; 4193.94,-2349.5 4193.94,-2073.91 ; 4194.53,-2349.69 4194.53,-2074.1 ; 4547.76,-2348.59 4547.76,-2073 ; 4547.91,-2350.48 4547.91,-2074.89 ; 4548.27,-2349.5 4548.27,-2073.91 ; 4548.86,-2349.69 4548.86,-2074.1 ; 4902.09,-2348.59 4902.09,-2073 ; 4902.24,-2350.48 4902.24,-2074.89 ; 4902.6,-2349.5 4902.6,-2073.91 ; 4903.19,-2349.69 4903.19,-2074.1 ; 3131.22,-2349.18 3131.22,-2073.59 ; 3131.22,-2349.18 5257.2,-2349.18 ; 3131.22,-2349.18 5257.2,-2349.18 ; 3131.22,-2349.18 3131.22,-2073.59 ; 3131.22,-2073.59 5257.2,-2073.59 ; 3131.22,-2073.59 5257.2,-2073.59 ; 3484.76,-2073 3484.76,-2073 ; 3484.92,-2074.89 3484.92,-2074.89 ; 3485.28,-2073.91 3485.28,-2073.91 ; 3485.55,-2349.18 3485.55,-2073.59 ; 3485.55,-2349.18 3485.55,-2073.59 ; 3485.55,-2349.18 3485.55,-2073.59 ; 3485.55,-2073.59 3485.55,-2073.59 ; 3485.87,-2074.1 3485.87,-2074.1 ; 3839.88,-2349.18 3839.88,-2073.59 ; 3839.88,-2349.18 3839.88,-2073.59 ; 3839.88,-2349.18 3839.88,-2073.59 ; 4194.21,-2349.18 4194.21,-2073.59 ; 4194.21,-2349.18 4194.21,-2073.59 ; 4194.21,-2349.18 4194.21,-2073.59 ; 4548.54,-2349.18 4548.54,-2073.59 ; 4548.54,-2349.18 4548.54,-2073.59 ; 4548.54,-2349.18 4548.54,-2073.59 ; 4902.87,-2349.18 4902.87,-2073.59 ; 4902.87,-2349.18 4902.87,-2073.59 ; 4902.87,-2349.18 4902.87,-2073.59 ; 5257.2,-2349.18 5257.2,-2073.59 ; 5257.2,-2349.18 5257.2,-2073.59 ; 3130.43,-2348.59 5256.42,-2348.59 5256.42,-2073 3130.43,-2073 3130.43,-2348.59 ; 3130.59,-2350.48 5256.57,-2350.48 5256.57,-2074.89 3130.59,-2074.89 3130.59,-2350.48 ; 3130.94,-2349.5 5256.93,-2349.5 5256.93,-2073.91 3130.94,-2073.91 3130.94,-2349.5 ; 3131.54,-2349.69 5257.52,-2349.69 5257.52,-2074.1 3131.54,-2074.1 3131.54,-2349.69
  lines w10: -1129.06,-2814.35 2670.94,-2814.35 2670.94,-1974.35 -1129.06,-1974.35 -1129.06,-2814.35
  lines w11.81: -1013.93,4563.33 4217.33,4562.04 ; -1012.67,3962.94 4219.77,3961.65 ; -1012.67,4158.81 4211.23,4157.52 ; -1011.93,2121.57 8915.83,2121.57 ; -1010.67,2121.26 -1010.67,5658.46 8914.96,5658.46 ; -1010.39,5347.15 8915.63,5347.15 ; -1008.49,2556.8 4217.4,2555.51 ; -1008.49,2758.96 4217.4,2757.67 ; -1008.49,3158.88 4217.4,3157.59 ; -1008.49,4960.42 4217.4,4959.13 ; -1006.56,4755.22 4219.72,4753.93 ; -1004.36,2363.18 8915.83,2360.73 ; -1004.36,2950.58 4214.25,2949.29 ; -1004.36,3354.71 4219.76,3353.42 ; -1004.36,3758.84 4217.41,3757.56 ; -1004.36,5133.69 8917.95,5131.24 ; -1000.19,3563.02 4219.77,3561.73 ; -1000.19,4362.94 4211.22,4361.65 ; 461.26,2358.94 461.99,5337.66 ; 1492.32,2363.11 1493.05,5337.66 ; 2453.18,2363.11 2453.92,5345.77 ; 3440.78,2363.11 3441.52,5337.66 ; 4218.11,2856.53 8914.49,2855.37 ; 4218.11,3058.78 8913.67,3057.62 ; 4218.11,3251.61 8915.83,3250.45 ; 4218.11,3456.22 8913.66,3455.06 ; 4218.11,3853.66 8913.66,3852.5 ; 4218.11,4053.54 8915.83,4052.38 ; 4219.13,2356.42 4219.87,5347.76 ; 4220,4657.95 8913.66,4656.79 ; 4220.08,3653.78 8915.83,3652.62 ; 4220.08,4455.7 8915.83,4454.55 ; 4221.97,4260.51 8913.66,4259.35 ; 4226.43,4841.17 8907.83,4840.01 ; 4227.69,2661.48 8915.56,2660.33 ; 5232.12,2370.16 5232.86,5344.71 ; 6579.56,2370.16 6580.3,5344.71 ; 7726.41,2364.1 7727.15,5338.64 ; 8915.83,2120.87 8915.83,5658.46
  text "Layer Stack Up Detail for: uTCA_MCH_PCB3 (THICKNESS 1.6mm +/- 10%)" at 290.47,5441.06 h120.08
  text "Width (mm)" at 2826.61,5268.66 h49.21
  text "Layer" at -923.34,5267.43 h49.21
  text "Gerber" at 801.94,5267.43 h49.21
  text "Copper" at 1859.86,5267.43 h49.21
  text "Dielectric" at 4414.54,5267.43 h49.21
  text "Dielectric" at 5587.24,5267.43 h49.21
  text "Dielectric" at 6968.14,5267.43 h49.21
  text "Dielectric" at 8140.85,5267.43 h49.21
  text "Width/Gap (mm)" at 3533.7,5264.09 h49.21
  text "min/max/50 ohm" at 2664.44,5176.68 h49.21
  text "Name" at -923.34,5169 h49.21
  text "Document" at 801.94,5169 h49.21
  text "Thickness" at 1859.86,5169 h49.21
  text "Height" at 4414.54,5169 h49.21
  text "Material" at 5587.24,5169 h49.21
  text "Constant" at 6968.14,5169 h49.21
  text "Type" at 8140.85,5169 h49.21
  text "100 ohm*" at 3674.94,5162.31 h49.21
  text "Top Solder Mask" at -923.34,5027.45 h68.9
  text "(.GTS)" at 801.94,5027.45 h68.9
  text "0.0102mm" at 4414.54,5027.45 h68.9
  text "Solder Resist" at 5587.24,5027.45 h68.9
  text "3.50" at 6968.14,5027.45 h68.9
  text "0.1/0.4/0.1" at 2635.91,4836.38 h68.9
  text "Top Layer" at -923.34,4827.01 h68.9
  text "(.GTL)" at 801.94,4827.01 h68.9
  text "0.042mm" at 1767.53,4827.01 h68.9
  text "0.1/0.265" at 3544.84,4814.13 h68.9
  text "0.065mm" at 4414.54,4726.79 h68.9
  text "FR-4" at 5587.24,4726.79 h68.9
  text "4.60" at 6968.14,4726.79 h68.9
  text "PrePreg" at 8140.85,4726.79 h68.9
  text "GND1" at -923.34,4626.58 h68.9
  text "(.GP1)" at 801.94,4626.58 h68.9
  text "0.017mm" at 1767.53,4626.58 h68.9
  text "0.15mm" at 4414.54,4526.36 h68.9
  text "FR-4" at 5587.24,4526.36 h68.9
  text "4.50" at 6968.14,4526.36 h68.9
  text "Core" at 8140.85,4526.36 h68.9
  text "0.075/0.32/0.1" at 2507.6,4428.19 h68.9
  text "0.1/0.261" at 3563.31,4428.19 h68.9
  text "MidLayer1" at -923.34,4426.14 h68.9
  text "(.G1)" at 801.94,4426.14 h68.9
  text "0.017mm" at 1767.53,4426.14 h68.9
  text "0.13mm" at 4414.54,4325.92 h68.9
  text "FR-4" at 5587.24,4325.92 h68.9
  text "4.70" at 6968.14,4325.92 h68.9
  text "PrePreg" at 8140.85,4325.92 h68.9
  text "PWR1" at -923.34,4225.71 h68.9
  text "(.GP2)" at 801.94,4225.71 h68.9
  text "0.017mm" at 1767.53,4225.71 h68.9
  text "0.15mm" at 4414.54,4125.49 h68.9
  text "FR-4" at 5587.24,4125.49 h68.9
  text "4.50" at 6968.14,4125.49 h68.9
  text "Core" at 8140.85,4125.49 h68.9
  text "MidLayer2" at -923.34,4025.27 h68.9
  text "(.G2)" at 801.94,4025.27 h68.9
  text "0.017mm" at 1767.53,4025.27 h68.9
  text "0.075/0.32/0.1" at 2498.39,4022.01 h68.9
  text "0.1/0.261" at 3590.98,4021.97 h68.9
  text "0.13mm" at 4414.54,3925.05 h68.9
  text "FR-4" at 5587.24,3925.05 h68.9
  text "4.70" at 6968.14,3925.05 h68.9
  text "PrePreg" at 8140.85,3925.05 h68.9
  text "GND2" at -923.34,3824.84 h68.9
  text "(.GP3)" at 801.94,3824.84 h68.9
  text "0.017mm" at 1767.53,3824.84 h68.9
  text "0.1mm" at 4414.54,3724.62 h68.9
  text "FR-4" at 5587.24,3724.62 h68.9
  text "4.50" at 6968.14,3724.62 h68.9
  text "Core" at 8140.85,3724.62 h68.9
  text "PWR2" at -923.34,3624.4 h68.9
  text "(.GP4)" at 801.94,3624.4 h68.9
  text "0.017mm" at 1767.53,3624.4 h68.9
  text "0.13mm" at 4414.54,3524.19 h68.9
  text "FR-4" at 5587.24,3524.19 h68.9
  text "4.70" at 6968.14,3524.19 h68.9
  text "PrePreg" at 8140.85,3524.19 h68.9
  text "0.075/0.32/0.1" at 2498.39,3431.14 h68.9
  text "MidLayer3" at -923.34,3423.97 h68.9
  text "(.G3)" at 801.94,3423.97 h68.9
  text "0.017mm" at 1767.53,3423.97 h68.9
  text "0.1/0.261" at 3563.31,3421.89 h68.9
  text "0.15mm" at 4414.54,3323.75 h68.9
  text "FR-4" at 5587.24,3323.75 h68.9
  text "4.50" at 6968.14,3323.75 h68.9
  text "Core" at 8140.85,3323.75 h68.9
  text "GND3" at -923.34,3223.53 h68.9
  text "(.GP5)" at 801.94,3223.53 h68.9
  text "0.017mm" at 1767.53,3223.53 h68.9
  text "0.13mm" at 4414.54,3123.32 h68.9
  text "FR-4" at 5587.24,3123.32 h68.9
  text "4.60" at 6968.14,3123.32 h68.9
  text "PrePreg" at 8140.85,3123.32 h68.9
  text "0.1/0.261" at 3535.59,3024.92 h68.9
  text "MidLayer4" at -923.34,3023.1 h68.9
  text "(.G4)" at 801.94,3023.1 h68.9
  text "0.075/0.32/0.1" at 2498.39,3015.71 h68.9
  text "0.017mm" at 1772.73,3014.53 h68.9
  text "0.15mm" at 4414.54,2922.88 h68.9
  text "FR-4" at 5587.24,2922.88 h68.9
  text "4.80" at 6968.14,2922.88 h68.9
  text "Core" at 8140.85,2922.88 h68.9
  text "PWR3" at -923.34,2822.66 h68.9
  text "(.GP6)" at 801.94,2822.66 h68.9
  text "0.017mm" at 1767.53,2822.66 h68.9
  text "0.065mm" at 4414.54,2722.45 h68.9
  text "FR-4" at 5587.24,2722.45 h68.9
  text "4.80" at 6968.14,2722.45 h68.9
  text "PrePreg" at 8140.85,2722.45 h68.9
  text "Bottom Layer" at -923.34,2622.23 h68.9
  text "(.GBL)" at 801.94,2622.23 h68.9
  text "0.1/0.4/0.1" at 2626.69,2620.71 h68.9
  text "0.1/0.265" at 3517.13,2616.93 h68.9
  text "0.042mm" at 1767.53,2598.78 h68.9
  text "Bottom Solder Mask" at -923.34,2421.79 h68.9
  text "(.GBS)" at 801.94,2421.79 h68.9
  text "0.0102mm" at 4414.54,2421.79 h68.9
  text "Solder Resist" at 5587.24,2421.79 h68.9
  text "3.50" at 6968.14,2421.79 h68.9
  text "* Differential Pairs" at -928.53,2269.04 h49.21
  text "Copyright CERN 2014" at -1071.06,-2107.35 h59.06
  text "Components" at 5491.2,-2124.24 h75
  text "826" at 6206.34,-2125.24 h75
  text "Vias" at 5499.86,-2226.45 h75
  text "3122" at 6199.85,-2226.47 h75
  text "This documentation describes Open Hardware and is licensed under the CERN OHL v 1.2." at -1071.06,-2272.35 h59.06
  text "Nets" at 5493.36,-2330.86 h75
  text "1011" at 6193.36,-2330.86 h75
  text "You may redistribute and modify this documentation under the terms of the CERN" at -1071.06,-2356.84 h59.06
  text "OHL v 1.2 (http://ohwr.org/CERNOHL). This documentation is distributed WITHOUT" at -1071.06,-2441.32 h59.06
  text "ANY EXPRESS OR IMPLIED WARRANTY, INCLUDING OF MERCHANTABILITY, SATISFACTORY" at -1071.06,-2534.24 h59.06
  text "QUALITY AND FITNESS FOR A PARTICULAR PURPOSE." at -1071.06,-2624.35 h59.06
  text "Please see the CERN OHL v. 1.2 for applicable conditions." at -1071.06,-2758.35 h59.06

## Dimensions
-28.46,1288.15 to -55.12,-1270.94 on Drill Drawing
1.77,-1366.65 to 7107.68,-1197.87 on Drill Drawing
7800.87,1449.41 to 7794.17,-1443.11 on Drill Drawing
7768.9,-1487.87 to 7706.02,-1488.07 on Drill Drawing

## Text inside footprints (layer, text, board x,y; h text height)
CN1: Top Overlay "front" at 6425.37,704.06 h50 r90; Mechanical 1 "front panel" at 7097.87,846.56 h23.62 r90
IC43: Mechanical 14 "2" at 1731.3,-444.88 h23.62 r270; Mechanical 14 "3" at 1691.93,-444.88 h23.62 r270; Mechanical 14 "4" at 1652.56,-444.88 h23.62 r270; Mechanical 14 "5" at 1613.19,-444.88 h23.62 r270; Mechanical 14 "11" at 1380.91,-444.88 h23.62 r270; Mechanical 14 "10" at 1422.24,-444.88 h23.62 r270; Mechanical 14 "9" at 1453.74,-444.88 h23.62 r270; Mechanical 14 "8" at 1496.06,-444.88 h23.62 r270; Mechanical 14 "7" at 1534.45,-444.88 h23.62 r270; Mechanical 14 "6" at 1573.82,-444.88 h23.62 r270; Mechanical 14 "1" at 1768.7,-444.88 h23.62 r270; Mechanical 14 "R" at 1872.05,153.54 h23.62 r180; Mechanical 14 "P" at 1872.05,114.17 h23.62 r180; Mechanical 14 "N" at 1872.05,74.8 h23.62 r180; Mechanical 14 "M" at 1872.05,35.43 h23.62 r180; Mechanical 14 "L" at 1872.05,-3.94 h23.62 r180; Mechanical 14 "K" at 1872.05,-43.31 h23.62 r180; Mechanical 14 "J" at 1872.05,-82.68 h23.62 r180; Mechanical 14 "H" at 1872.05,-122.05 h23.62 r180; Mechanical 14 "G" at 1872.05,-161.42 h23.62 r180; Mechanical 14 "F" at 1872.05,-200.79 h23.62 r180; Mechanical 14 "E" at 1872.05,-240.16 h23.62 r180; Mechanical 14 "D" at 1872.05,-279.53 h23.62 r180; Mechanical 14 "C" at 1872.05,-318.9 h23.62 r180; Mechanical 14 "B" at 1872.05,-358.27 h23.62 r180; Mechanical 14 "A" at 1872.05,-397.64 h23.62 r180
P10: Top Overlay "1" at 6387.36,304.36 h19.68